# Altium PCB miniBackplane.PcbDoc (part 18 of 24)
Units mil, origin at the board's own origin, x right, y up, seen from the top; angles counter-clockwise.
Board outline 17285.63 x 8582.68 mil, 6 copper layers (Top Layer, Mid-Layer 1, GND, PWR, Mid-Layer 2, Bottom Layer), stack 62.362 mil thick; 519 components, 474 nets, 2434 pads, 1493 vias.
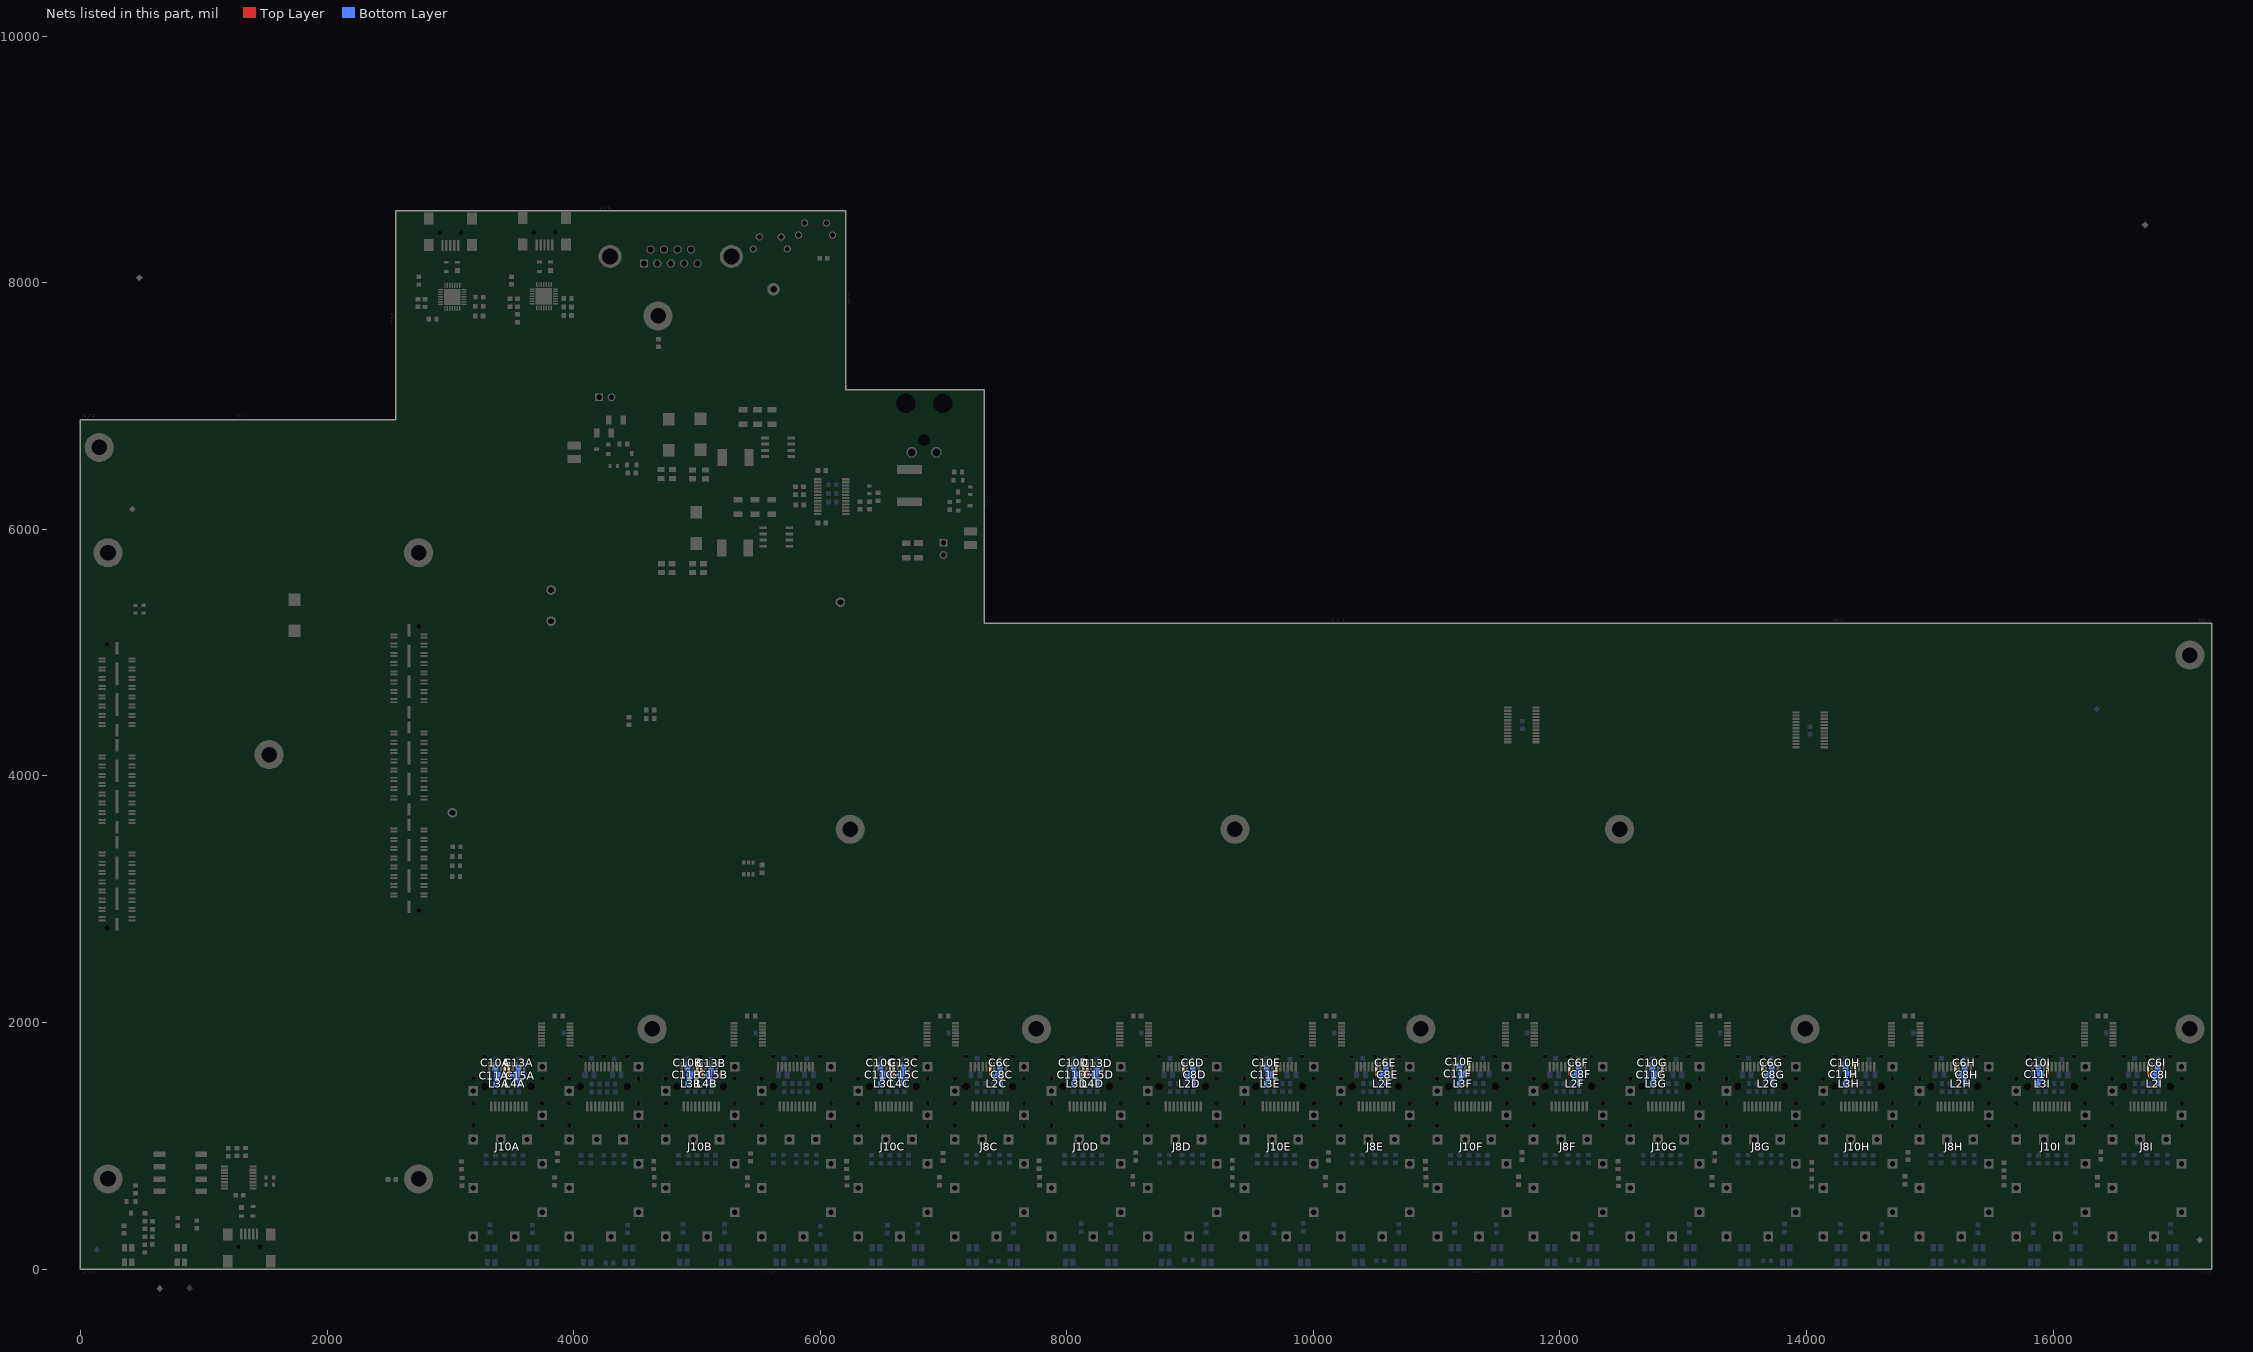
[diagram p22: the nets of this part, all layers, seen from the top]

## Via types
v1: diameter 27.56, hole 11.81, Top Layer to Bottom Layer, tented both sides, 1347 vias
v2: diameter 23.62, hole 11.81, Top Layer to Bottom Layer, tented both sides, 146 vias

## Nets (pads, with @x,y where several pads share a name; then routed paths per layer and width w, separated by ;. In a path a pad name is that pad's centre, name@x,y a point inside that pad or via, vN(x,y) a via of type N, cw(c..) or ccw(c..) an arc to the next point about the centre after c; other vN are vias at no path point) (continued)
NetC6C_1: C6C.1 C8C.2 J8C.15 L2C.1 | length 1204.2
  Top Layer w19.68: J8C.15@7380.39,1642.88 7380.39,1584.35 v1(7388.26,1576.49)
  Bottom Layer w19.68: v1@7389.44,1572.73 cw(c7395.42,1553.6) 7405.44,1570.96 ; v1@7396.13,1568.62 C8C.2@7443.04,1568.62 ; C8C.2@7447.85,1565.02 ccw(c7474.62,1557.56) 7455.94,1536.98 ; C8C.2@7447.88,1584.49 cw(c7470.79,1590.6) 7456.36,1609.41 ; 7460.56,1619.04 cw(c7472.15,1625.74) C6C.1@7463.1,1635.6 ; L2C.1@7464.63,1511.82 C6C.1@7464.63,1638.62 ; L2C.1@7455.8,1509.53 ccw(c7433.62,1522.33) 7458.36,1528.96 ; L2C.1@7455.8,1509.53 ccw(c7433.62,1522.33) 7458.36,1528.96 ; L2C.1@7455.8,1509.53 ccw(c7433.62,1522.33) 7458.36,1528.96 ; C6C.1@7464.63,1638.62 cw(c7413.85,1638.62) 7433.28,1591.7 ccw(c7413.85,1638.62) C6C.1@7464.63,1638.62 ; v1@7391.04,1579.27 ccw(c7416.75,1604.98) 7416.75,1568.62 cw(c7416.75,1604.98) v1@7391.04,1579.27 ; 7409.59,1568.62 cw(c7409.59,1540.09) 7429.76,1560.27 ccw(c7409.59,1540.09) 7409.59,1568.62 ; 7412.97,1568.62 ccw(c7412.97,1592.37) 7429.76,1575.58 cw(c7412.97,1592.37) 7412.97,1568.62 ; C8C.2@7432.46,1558.29 cw(c7405.34,1505.57) 7464.63,1505.57 ccw(c7405.34,1505.57) C8C.2@7432.46,1558.29 ; C8C.2@7440.81,1573.52 ccw(c7426.05,1609.16) 7464.63,1609.16 cw(c7426.05,1609.16) C8C.2@7440.81,1573.52 ; C8C.2@7441.47,1575.8 cw(c7421.94,1537.84) 7464.63,1537.84 ccw(c7421.94,1537.84) C8C.2@7441.47,1575.8 ; C8C.2@7448.34,1555.33 ccw(c7438.24,1579.71) 7464.63,1579.71 cw(c7438.24,1579.71) C8C.2@7448.34,1555.33 ; C8C.2@7450.48,1593.3 cw(c7438.54,1570.1) 7464.63,1570.1 ccw(c7438.54,1570.1) C8C.2@7450.48,1593.3 ; C6C.1@7450.85,1635.86 cw(c7417.57,1602.59) 7464.63,1602.59 ccw(c7417.57,1602.59) C6C.1@7450.85,1635.86 ; L2C.1@7457.05,1511.16 ccw(c7438.77,1529.45) 7464.63,1529.45 cw(c7438.77,1529.45) L2C.1@7457.05,1511.16
NetC6D_1: C6D.1 C8D.2 J8D.15 L2D.1 | length 1267
  Top Layer w19.68: J8D.15@8945.39,1642.88 8945.39,1584.35 v1(8954.94,1574.81) ; J8D.15@8945.39,1607.36 ccw(c8987.48,1607.36) 8957.72,1577.59 cw(c8987.48,1607.36) J8D.15@8945.39,1607.36
  Bottom Layer w19.68: v1@8956.64,1571.26 cw(c8962.62,1558.76) 8969.55,1570.76 ; v1@8961.13,1568.62 9027.62,1568.62 ; C8D.2@9004.58,1559.07 ccw(c9003.92,1583.98) 9027.99,1577.53 ; C8D.2@9014.19,1586.21 cw(c9034.81,1595.68) 9018.48,1611.42 ; C8D.2@9014.56,1564.33 ccw(c9047.94,1552.61) 9020.07,1530.83 ; C6D.1@9015.65,1634.49 cw(c9009.69,1624.35) 9021.05,1621.31 ; 9025.69,1568.62 C6D.1@9025.69,1638.62 ; L2D.1@9027.62,1503.62 9027.62,1568.62 ; 9020.21,1527.2 ccw(c9043.74,1533.5) L2D.1@9031.56,1512.41 ; 9020.21,1527.2 ccw(c9043.74,1533.5) L2D.1@9031.56,1512.41 ; 9020.21,1527.2 ccw(c9043.74,1533.5) L2D.1@9031.56,1512.41 ; C6D.1@9025.69,1638.62 cw(c8970.08,1638.62) 8998.76,1590.98 ccw(c8970.08,1638.62) C6D.1@9025.69,1638.62 ; 9027.62,1524.6 ccw(c9046.63,1524.6) 9033.19,1511.16 cw(c9046.63,1524.6) 9027.62,1524.6 ; 9027.62,1524.6 cw(c9008.61,1524.6) 9022.05,1511.16 ccw(c9008.61,1524.6) 9027.62,1524.6 ; 9027.62,1568.62 ccw(c9027.62,1550.19) 9012.96,1561.36 cw(c9027.62,1550.19) 9027.62,1568.62 ; 9027.62,1568.62 cw(c9027.62,1589.61) 9012.27,1575.3 ccw(c9027.62,1589.61) 9027.62,1568.62 ; v1@8957.72,1577.59 ccw(c8979.38,1599.26) 8979.38,1568.62 cw(c8979.38,1599.26) v1@8957.72,1577.59 ; 8976.52,1568.62 cw(c8976.52,1540.09) 8996.69,1560.27 ccw(c8976.52,1540.09) 8976.52,1568.62 ; 8979.9,1568.62 ccw(c8979.9,1592.37) 8996.69,1575.58 cw(c8979.9,1592.37) 8979.9,1568.62 ; C8D.2@8997.83,1559.27 cw(c8952.84,1499.54) 9027.62,1499.54 ccw(c8952.84,1499.54) C8D.2@8997.83,1559.27 ; C8D.2@9008.91,1574.11 ccw(c8991.05,1603.79) 9025.69,1603.79 cw(c8991.05,1603.79) C8D.2@9008.91,1574.11 ; C8D.2@9009.68,1575 cw(c8982.57,1539.01) 9027.62,1539.01 ccw(c8982.57,1539.01) C8D.2@9009.68,1575 ; C6D.1@9015.85,1635.86 cw(c8992.07,1612.09) 9025.69,1612.09 ccw(c8992.07,1612.09) C6D.1@9015.85,1635.86 ; C8D.2@9019.07,1557.25 ccw(c9012.01,1568.97) 9025.69,1568.97 cw(c9012.01,1568.97) C8D.2@9019.07,1557.25
NetC6E_1: C6E.1 C8E.2 J8E.15 L2E.1 | length 1223.1
  Top Layer w19.68: J8E.15@10510.39,1642.88 10510.39,1584.35 v1(10518.26,1576.49) ; 10512.73,1593.67 cw(c10495.37,1583.65) v1@10514.5,1577.66 ; J8E.15@10510.39,1604.98 ccw(c10546.76,1604.98) 10521.04,1579.27 cw(c10546.76,1604.98) J8E.15@10510.39,1604.98
  Bottom Layer w7.87: L2E.1@10586.13,1510.12 L2E.1@10592.62,1503.62
  Bottom Layer w19.68: v1(10518.26,1576.49) 10526.13,1568.62 C8E.2@10567.34,1568.62 ; v1@10519.44,1572.73 cw(c10525.42,1553.6) 10535.44,1570.96 ; C8E.2@10576.98,1586.63 cw(c10600.79,1598.81) 10579.49,1614.99 ; C8E.2@10576.99,1563.02 ccw(c10601.22,1550.7) 10579.5,1534.36 ; C6E.1@10577.47,1637.7 cw(c10556.14,1625.38) 10579.93,1619 ; C6E.1@10581.12,1623.44 cw(c10598.64,1618.75) C6E.1@10589.57,1634.45 ; 10582.26,1526.71 cw(c10571.04,1515.49) L2E.1@10585.46,1508.87 ; L2E.1@10586.13,1510.12 C6E.1@10586.13,1642.13 ; L2E.1@10587.4,1511.48 ccw(c10579.78,1520.08) 10589.73,1525.82 ; 10578.36,1536.13 ccw(c10616.09,1546.24) L2E.1@10596.56,1512.41 ; 10578.36,1536.13 ccw(c10616.09,1546.24) L2E.1@10596.56,1512.41 ; 10578.36,1536.13 ccw(c10616.09,1546.24) L2E.1@10596.56,1512.41 ; 10586.13,1620.74 ccw(c10564.74,1620.74) 10579.86,1635.86 cw(c10564.74,1620.74) 10586.13,1620.74 ; 10586.13,1620.74 cw(c10607.51,1620.74) 10592.39,1635.86 ccw(c10607.51,1620.74) 10586.13,1620.74 ; v1@10521.04,1579.27 ccw(c10546.76,1604.98) 10546.76,1568.62 cw(c10546.76,1604.98) v1@10521.04,1579.27 ; 10539.51,1568.62 cw(c10539.51,1540.09) 10559.68,1560.27 ccw(c10539.51,1540.09) 10539.51,1568.62 ; 10542.89,1568.62 ccw(c10542.89,1592.37) 10559.68,1575.58 cw(c10542.89,1592.37) 10542.89,1568.62 ; C8E.2@10560.67,1559.39 cw(c10519.78,1507.14) 10586.13,1507.14 ccw(c10519.78,1507.14) C8E.2@10560.67,1559.39 ; C8E.2@10560.71,1590.26 ccw(c10520.51,1642.12) C6E.1@10586.13,1642.13 cw(c10520.51,1642.12) C8E.2@10560.71,1590.26 ; C8E.2@10572.77,1574.7 ccw(c10551.64,1601.96) 10586.13,1601.96 cw(c10551.64,1601.96) C8E.2@10572.77,1574.7 ; C8E.2@10572.8,1574.9 cw(c10551.39,1547.54) 10586.13,1547.54 ccw(c10551.39,1547.54) C8E.2@10572.8,1574.9 ; C8E.2@10584.82,1559.14 ccw(c10582.77,1561.8) 10586.13,1561.8 cw(c10582.77,1561.8) C8E.2@10584.82,1559.14 ; C8E.2@10584.93,1590.4 cw(c10583.01,1587.94) 10586.13,1587.94 ccw(c10583.01,1587.94) C8E.2@10584.93,1590.4 ; 10586.13,1540.28 ccw(c10627.31,1540.28) 10598.19,1511.16 cw(c10627.31,1540.28) 10586.13,1540.28
NetC6F_1: C6F.1 C8F.2 J8F.15 L2F.1 | length 1098.1
  Top Layer w19.68: J8F.15@12074.96,1642.88 12074.96,1584.35 v1(12090.69,1568.62)
  Bottom Layer w19.68: v1(12090.69,1568.62) C8F.2@12133.83,1568.62 ; C8F.2@12143.91,1589.6 cw(c12164.56,1597.73) 12149.63,1614.14 ; C8F.2@12144.12,1568.49 ccw(c12183.17,1555.71) 12149.81,1531.72 ; L2F.1@12157.19,1503.62 C6F.1@12157.19,1641.74 ; v1@12092.66,1572.03 ccw(c12101.47,1587.3) 12106.04,1570.27 ; v1@12092.66,1572.03 ccw(c12101.47,1587.3) 12106.04,1570.27 ; v1@12092.66,1572.03 ccw(c12101.47,1587.3) 12106.04,1570.27 ; 12149.86,1527.09 ccw(c12173.22,1533.35) L2F.1@12161.13,1512.41 ; 12149.86,1527.09 ccw(c12173.22,1533.35) L2F.1@12161.13,1512.41 ; 12149.86,1527.09 ccw(c12173.22,1533.35) L2F.1@12161.13,1512.41 ; 12157.19,1524.6 ccw(c12176.2,1524.6) 12162.76,1511.16 cw(c12176.2,1524.6) 12157.19,1524.6 ; 12157.19,1524.6 cw(c12138.18,1524.6) 12151.62,1511.16 ccw(c12138.18,1524.6) 12157.19,1524.6 ; C6F.1@12157.19,1641.74 cw(c12104.89,1641.74) 12128.87,1595.26 ccw(c12104.89,1641.74) C6F.1@12157.19,1641.74 ; v1@12099.88,1568.62 ccw(c12099.88,1605.81) 12126.18,1579.51 cw(c12099.88,1605.81) v1@12099.88,1568.62 ; C8F.2@12126.98,1563.48 cw(c12074.84,1499.74) 12157.19,1499.74 ccw(c12074.84,1499.74) C8F.2@12126.98,1563.48 ; C8F.2@12137.9,1577.77 ccw(c12121.56,1609.43) 12157.19,1609.43 cw(c12121.56,1609.43) C8F.2@12137.9,1577.77 ; C8F.2@12139.44,1578.71 cw(c12108.82,1541.27) 12157.19,1541.27 ccw(c12108.82,1541.27) C8F.2@12139.44,1578.71 ; C6F.1@12145.41,1635.86 cw(c12116.98,1607.43) 12157.19,1607.43 ccw(c12116.98,1607.43) C6F.1@12145.41,1635.86 ; C8F.2@12146.92,1560.27 ccw(c12138.23,1577.12) 12157.19,1577.12 cw(c12138.23,1577.12) C8F.2@12146.92,1560.27 ; C8F.2@12151.91,1593.95 cw(c12142.79,1582.81) 12157.19,1582.81 ccw(c12142.79,1582.81) C8F.2@12151.91,1593.95
NetC6G_1: C6G.1 C8G.2 J8G.15 L2G.1 | length 1258.9
  Top Layer w19.68: J8G.15@13639.96,1642.88 13639.96,1584.35 v1(13649.58,1574.73) ; J8G.15@13639.96,1607.47 ccw(c13682.32,1607.47) 13652.37,1577.52 cw(c13682.32,1607.47) J8G.15@13639.96,1607.47
  Bottom Layer w7.87: C6G.1@13715.69,1642.13 C6G.1@13722.19,1635.63
  Bottom Layer w19.68: v1(13649.58,1574.73) 13655.69,1568.62 C8G.2@13696.83,1568.62 ; v1@13651.31,1571.2 cw(c13657.28,1558.98) 13664.08,1570.75 ; C8G.2@13702.1,1558.46 cw(c13708.52,1546.94) 13718.59,1555.47 ; C8G.2@13707.18,1564.76 ccw(c13741.15,1554.38) 13714.05,1531.41 ; C8G.2@13707.15,1584.96 cw(c13727.48,1591.38) 13714.57,1608.34 ; L2G.1@13722.19,1503.62 C6G.1@13722.19,1635.63 ; 13714.47,1527.59 ccw(c13738.63,1534.07) L2G.1@13726.13,1512.41 ; 13714.47,1527.59 ccw(c13738.63,1534.07) L2G.1@13726.13,1512.41 ; 13714.47,1527.59 ccw(c13738.63,1534.07) L2G.1@13726.13,1512.41 ; 13722.19,1524.6 ccw(c13741.2,1524.6) 13727.76,1511.16 cw(c13741.2,1524.6) 13722.19,1524.6 ; 13722.19,1524.6 cw(c13703.18,1524.6) 13716.62,1511.16 ccw(c13703.18,1524.6) 13722.19,1524.6 ; C6G.1@13722.19,1635.63 cw(c13674.74,1635.63) 13692.72,1591.72 ccw(c13674.74,1635.63) C6G.1@13722.19,1635.63 ; v1@13652.37,1577.52 ccw(c13673.84,1598.99) 13673.84,1568.62 cw(c13673.84,1598.99) v1@13652.37,1577.52 ; 13669,1568.62 cw(c13669,1540.09) 13689.17,1560.27 ccw(c13669,1540.09) 13669,1568.62 ; 13672.38,1568.62 ccw(c13672.38,1592.37) 13689.17,1575.58 cw(c13672.38,1592.37) 13672.38,1568.62 ; C8G.2@13690.66,1559.02 cw(c13648.92,1498.8) 13722.19,1498.8 ccw(c13648.92,1498.8) C8G.2@13690.66,1559.02 ; C8G.2@13700.18,1573.5 ccw(c13686.75,1606.29) 13722.19,1606.29 cw(c13686.75,1606.29) C8G.2@13700.18,1573.5 ; C8G.2@13701.87,1575.2 cw(c13674.98,1536.4) 13722.19,1536.4 ccw(c13674.98,1536.4) C8G.2@13701.87,1575.2 ; C8G.2@13707.64,1555.29 ccw(c13698.77,1576.96) 13722.19,1576.96 cw(c13698.77,1576.96) C8G.2@13707.64,1555.29 ; C6G.1@13710.41,1635.86 cw(c13681.98,1607.43) 13722.19,1607.43 ccw(c13681.98,1607.43) C6G.1@13710.41,1635.86 ; C8G.2@13713.09,1591.38 cw(c13701.04,1574) 13722.19,1574 ccw(c13701.04,1574) C8G.2@13713.09,1591.38
NetC6H_1: C6H.1 C8H.2 J8H.15 L2H.1 | length 1172.1
  Top Layer w19.68: J8H.15@15204.96,1642.88 15204.96,1584.35 v1(15220.69,1568.62) ; J8H.15@15204.96,1616.11 ccw(c15268.18,1616.11) 15223.48,1571.41 cw(c15268.18,1616.11) J8H.15@15204.96,1616.11
  Bottom Layer w7.87: C6H.1@15280.69,1642.13 C6H.1@15287.19,1635.63
  Bottom Layer w19.68: v1(15220.69,1568.62) C8H.2@15263.76,1568.62 ; C8H.2@15273.85,1585.61 cw(c15293.16,1593.09) 15279.81,1608.92 ; C8H.2@15273.98,1564.37 ccw(c15307.4,1552.75) 15279.59,1530.87 ; L2H.1@15287.19,1503.62 C6H.1@15287.19,1635.63 ; 15279.76,1527.23 ccw(c15303.33,1533.54) L2H.1@15291.13,1512.41 ; 15279.76,1527.23 ccw(c15303.33,1533.54) L2H.1@15291.13,1512.41 ; 15279.76,1527.23 ccw(c15303.33,1533.54) L2H.1@15291.13,1512.41 ; 15287.19,1524.6 ccw(c15306.2,1524.6) 15292.76,1511.16 cw(c15306.2,1524.6) 15287.19,1524.6 ; 15287.19,1524.6 cw(c15268.18,1524.6) 15281.62,1511.16 ccw(c15268.18,1524.6) 15287.19,1524.6 ; C6H.1@15287.19,1635.63 cw(c15238.44,1635.63) 15259.16,1591.5 ccw(c15238.44,1635.63) C6H.1@15287.19,1635.63 ; 15235.93,1568.62 cw(c15235.93,1540.09) 15256.1,1560.27 ccw(c15235.93,1540.09) 15235.93,1568.62 ; 15239.31,1568.62 ccw(c15239.31,1592.37) 15256.1,1575.58 cw(c15239.31,1592.37) 15239.31,1568.62 ; C8H.2@15257.27,1559.25 cw(c15212.54,1499.49) 15287.19,1499.49 ccw(c15212.54,1499.49) C8H.2@15257.27,1559.25 ; C8H.2@15267.52,1573.68 ccw(c15252.99,1604.64) 15287.19,1604.64 cw(c15252.99,1604.64) C8H.2@15267.52,1573.68 ; C8H.2@15269.06,1575.01 cw(c15241.97,1538.81) 15287.19,1538.81 ccw(c15241.97,1538.81) C8H.2@15269.06,1575.01 ; C6H.1@15275.41,1635.86 cw(c15246.98,1607.43) 15287.19,1607.43 ccw(c15246.98,1607.43) C6H.1@15275.41,1635.86 ; C8H.2@15275.88,1555.86 ccw(c15267.53,1573.66) 15287.19,1573.66 cw(c15267.53,1573.66) C8H.2@15275.88,1555.86 ; C8H.2@15280.86,1590.77 cw(c15271.4,1578.13) 15287.19,1578.13 ccw(c15271.4,1578.13) C8H.2@15280.86,1590.77
NetC6I_1: C6I.1 C8I.2 J8I.15 L2I.1 | length 1197
  Top Layer w19.68: J8I.15@16769.96,1642.88 16769.96,1584.35 v1(16785.69,1568.62) v1@16790.69,1568.62 ; J8I.15@16769.96,1616.11 ccw(c16833.18,1616.11) 16788.48,1571.41 cw(c16833.18,1616.11) J8I.15@16769.96,1616.11
  Bottom Layer w7.87: C6I.1@16845.69,1642.13 C6I.1@16852.19,1635.63
  Bottom Layer w19.68: v1(16785.69,1568.62) C8I.2@16827.81,1568.62 ; C8I.2@16838.02,1585.3 cw(c16857.81,1592.27) 16844.69,1608.64 ; C8I.2@16838.1,1564.56 ccw(c16871.76,1553.55) 16844.33,1531.15 ; L2I.1@16852.19,1503.62 C6I.1@16852.19,1635.63 ; 16844.62,1527.4 ccw(c16868.47,1533.79) L2I.1@16856.13,1512.41 ; 16844.62,1527.4 ccw(c16868.47,1533.79) L2I.1@16856.13,1512.41 ; 16844.62,1527.4 ccw(c16868.47,1533.79) L2I.1@16856.13,1512.41 ; 16852.19,1524.6 ccw(c16871.2,1524.6) 16857.76,1511.16 cw(c16871.2,1524.6) 16852.19,1524.6 ; 16852.19,1524.6 cw(c16833.18,1524.6) 16846.62,1511.16 ccw(c16833.18,1524.6) 16852.19,1524.6 ; C6I.1@16852.19,1635.63 cw(c16804.11,1635.63) 16823.45,1591.61 ccw(c16804.11,1635.63) C6I.1@16852.19,1635.63 ; 16799.98,1568.62 cw(c16799.98,1540.09) 16820.16,1560.27 ccw(c16799.98,1540.09) 16799.98,1568.62 ; 16803.36,1568.62 ccw(c16803.36,1592.37) 16820.16,1575.58 cw(c16803.36,1592.37) 16803.36,1568.62 ; C8I.2@16821.48,1559.14 cw(c16778.26,1499.16) 16852.19,1499.16 ccw(c16778.26,1499.16) C8I.2@16821.48,1559.14 ; C8I.2@16831.38,1573.59 ccw(c16817.36,1605.47) 16852.19,1605.47 cw(c16817.36,1605.47) C8I.2@16831.38,1573.59 ; C8I.2@16832.99,1575.11 cw(c16805.97,1537.61) 16852.19,1537.61 ccw(c16805.97,1537.61) C8I.2@16832.99,1575.11 ; C8I.2@16839.3,1555.57 ccw(c16830.62,1575.32) 16852.19,1575.32 cw(c16830.62,1575.32) C8I.2@16839.3,1555.57 ; C6I.1@16840.41,1635.86 cw(c16811.98,1607.43) 16852.19,1607.43 ccw(c16811.98,1607.43) C6I.1@16840.41,1635.86 ; C8I.2@16844.5,1591.08 cw(c16833.67,1576.06) 16852.19,1576.06 ccw(c16833.67,1576.06) C8I.2@16844.5,1591.08
NetC10A_2: C10A.2 C11A.1 J10A.16 L3A.1 | length 1467.7
  Top Layer w19.68: v1(3435.83,1571.96) 3442.44,1578.57 J10A.16@3442.44,1641.22 ; v1@3439.45,1573.52 cw(c3453.49,1579.57) 3440.25,1587.21 ; v1@3433.05,1574.74 ccw(c3410.38,1597.41) 3442.44,1597.41 cw(c3410.38,1597.41) v1@3433.05,1574.74
  Bottom Layer w19.68: C10A.2@3361.22,1632.79 cw(c3352.16,1617.09) C10A.2@3369.67,1621.78 ; L3A.1@3364.67,1503.46 C10A.2@3364.67,1640.46 ; 3370.86,1617.34 cw(c3394.66,1623.72) C10A.2@3373.32,1636.04 ; L3A.1@3371.17,1504.95 C11A.1@3371.17,1566.96 ; 3371.8,1611.2 cw(c3347.48,1592.28) C11A.1@3375.87,1580.31 ; 3371.85,1528.61 ccw(c3349.72,1546.64) C11A.1@3375.91,1558.01 ; L3A.1@3373.11,1507.94 cw(c3385.52,1514.51) 3375.59,1524.44 ; C11A.1@3376.69,1556.53 cw(c3353.77,1542.02) 3376.88,1527.8 ; C11A.1@3386.17,1571.96 v1@3424.67,1571.96 ; L3A.1@3362.22,1511.07 ccw(c3343.95,1542.71) 3379.24,1533.26 ; L3A.1@3362.22,1511.07 ccw(c3353.19,1526.72) 3370.64,1522.04 ; L3A.1@3362.22,1511.07 ccw(c3343.95,1542.71) 3379.24,1533.26 ; L3A.1@3362.22,1511.07 ccw(c3343.95,1542.71) 3379.24,1533.26 ; L3A.1@3362.22,1511.07 ccw(c3353.19,1526.72) 3370.64,1522.04 ; L3A.1@3362.22,1511.07 ccw(c3353.19,1526.72) 3370.64,1522.04 ; 3364.67,1619.08 ccw(c3343.28,1619.08) 3358.41,1634.2 cw(c3343.28,1619.08) 3364.67,1619.08 ; 3364.67,1619.08 cw(c3386.05,1619.08) 3370.93,1634.2 ccw(c3386.05,1619.08) 3364.67,1619.08 ; C10A.2@3364.67,1640.46 ccw(c3434.56,1640.46) 3392.38,1584.73 cw(c3434.56,1640.46) C10A.2@3364.67,1640.46 ; 3370.98,1523.33 ccw(c3390.26,1518.17) L3A.1@3372.98,1508.19 ; 3370.98,1523.33 ccw(c3390.26,1518.17) L3A.1@3372.98,1508.19 ; 3370.98,1523.33 ccw(c3390.26,1518.17) L3A.1@3372.98,1508.19 ; L3A.1@3360.59,1509.82 ccw(c3335.06,1535.35) 3371.17,1535.35 cw(c3335.06,1535.35) L3A.1@3360.59,1509.82 ; L3A.1@3364.67,1499.77 cw(c3430.99,1499.77) 3392.18,1553.54 ccw(c3430.99,1499.77) L3A.1@3364.67,1499.77 ; 3364.67,1526.85 ccw(c3388.76,1526.85) 3371.73,1509.82 cw(c3388.76,1526.85) 3364.67,1526.85 ; 3364.67,1538.25 cw(c3403.22,1538.25) 3380.66,1569.51 ccw(c3403.22,1538.25) 3364.67,1538.25 ; 3364.67,1561.28 ccw(c3374.62,1561.28) 3368.61,1553.34 cw(c3374.62,1561.28) 3364.67,1561.28 ; 3364.67,1576.73 cw(c3375.45,1576.73) 3369.14,1585.47 ccw(c3375.45,1576.73) 3364.67,1576.73 ; 3364.67,1600.87 ccw(c3404.59,1600.87) 3380.5,1569.04 cw(c3404.59,1600.87) 3364.67,1600.87 ; L3A.1@3371.17,1503.11 cw(c3441.83,1503.11) 3393.28,1554.46 ccw(c3441.83,1503.11) L3A.1@3371.17,1503.11 ; C11A.1@3393.5,1561.56 cw(c3418.61,1536.44) 3418.61,1571.96 ccw(c3418.61,1536.44) C11A.1@3393.5,1561.56
NetC10B_2: C10B.2 C11B.1 J10B.16 L3B.1 | length 1849.2
  Top Layer w19.68: v1@4995.83,1583.32 5003.9,1591.39 J10B.16@5003.9,1642.87 ; v1@5000.19,1583.98 cw(c5017.47,1590.03) 5001.61,1599.18 ; v1@4993.69,1585.46 ccw(c4969.04,1610.11) 5003.9,1610.11 cw(c4969.04,1610.11) v1@4993.69,1585.46
  Bottom Layer w19.68: C10B.2@4922.68,1634.45 cw(c4913.61,1618.74) C10B.2@4931.13,1623.43 ; L3B.1@4926.13,1505.11 C10B.2@4926.13,1642.12 ; 4928.85,1528.1 ccw(c4941.8,1520.63) L3B.1@4930.55,1510.77 ; 4931.26,1556.95 cw(c4940.38,1548.46) C11B.1@4947.22,1558.87 ; L3B.1@4932.22,1507.68 cw(c4954.09,1513.71) 4938.05,1529.76 ; 4932.32,1619 cw(c4956.12,1625.37) C10B.2@4934.78,1637.69 ; L3B.1@4932.62,1506.61 C11B.1@4932.62,1568.61 ; 4934.68,1611.5 cw(c4917.58,1591.73) C11B.1@4942.74,1584.63 ; 4934.79,1532.83 ccw(c4909.83,1556.06) C11B.1@4942.72,1565.06 ; 4939.57,1532.24 ccw(c4914.35,1551.08) C11B.1@4943.23,1563.61 ; C11B.1@4947.62,1573.61 4986.13,1573.61 ; 4978.39,1576.63 cw(c4989.63,1557.15) v1@4995.45,1578.87 ; L3B.1@4919.06,1511.15 ccw(c4902.01,1528.2) 4926.13,1528.2 cw(c4902.01,1528.2) L3B.1@4919.06,1511.15 ; L3B.1@4919.06,1511.15 ccw(c4886.33,1543.89) 4932.62,1543.89 cw(c4886.33,1543.89) L3B.1@4919.06,1511.15 ; L3B.1@4920.69,1512.4 ccw(c4896.98,1553.47) 4942.79,1541.2 ; L3B.1@4920.69,1512.4 ccw(c4906.05,1537.76) 4934.34,1530.18 ; L3B.1@4920.69,1512.4 ccw(c4896.98,1553.47) 4942.79,1541.2 ; L3B.1@4920.69,1512.4 ccw(c4896.98,1553.47) 4942.79,1541.2 ; L3B.1@4920.69,1512.4 ccw(c4906.05,1537.76) 4934.34,1530.18 ; L3B.1@4920.69,1512.4 ccw(c4906.05,1537.76) 4934.34,1530.18 ; 4926.13,1620.73 ccw(c4904.74,1620.73) 4919.86,1635.85 cw(c4904.74,1620.73) 4926.13,1620.73 ; 4926.13,1620.73 cw(c4947.51,1620.73) 4932.39,1635.85 ccw(c4947.51,1620.73) 4926.13,1620.73 ; C10B.2@4926.13,1642.12 ccw(c4982.44,1642.12) 4957.89,1591.44 cw(c4982.44,1642.12) C10B.2@4926.13,1642.12 ; L3B.1@4926.13,1499.54 cw(c4995.96,1499.54) 4958.91,1558.74 ccw(c4995.96,1499.54) L3B.1@4926.13,1499.54 ; 4926.13,1535.08 cw(c4973.71,1535.08) 4948.47,1575.42 ccw(c4973.71,1535.08) 4926.13,1535.08 ; 4926.13,1570.63 cw(c4951.47,1570.63) 4938.02,1592.11 ccw(c4951.47,1570.63) 4926.13,1570.63 ; 4926.13,1579.29 ccw(c4952,1579.29) 4940.72,1556.01 cw(c4952,1579.29) 4926.13,1579.29 ; 4926.13,1610.7 ccw(c4967.22,1610.7) 4949.3,1573.72 cw(c4967.22,1610.7) 4926.13,1610.7 ; L3B.1@4932.62,1503.26 cw(c5004.11,1503.26) 4959.87,1559.41 ccw(c5004.11,1503.26) L3B.1@4932.62,1503.26 ; 4932.62,1543.83 cw(c4972.14,1543.83) 4947.68,1574.87 ccw(c4972.14,1543.83) 4932.62,1543.83 ; C11B.1@4960.82,1567.15 cw(c4976.43,1551.54) 4976.43,1573.61 ccw(c4976.43,1551.54) C11B.1@4960.82,1567.15 ; C11B.1@4960.82,1582.46 ccw(c4982.17,1603.81) 4982.17,1573.61 cw(c4982.17,1603.81) C11B.1@4960.82,1582.46 ; C11B.1@4965.09,1573.61 ccw(c4965.09,1614.06) 4993.69,1585.46 cw(c4965.09,1614.06) C11B.1@4965.09,1573.61
  other v1: 4996.47,1582.68
NetC10C_2: C10C.2 C11C.1 J10C.16 L3C.1 | length 1668.7
  Top Layer w7.87: v1(6564.59,1573.62) 6564.17,1574.04 v1@6566.4,1576.26
  Top Layer w19.68: v1@6566.4,1576.26 J10C.16@6566.4,1641.22 ; v1@6561.81,1576.41 ccw(c6550.72,1587.49) 6566.4,1587.49 cw(c6550.72,1587.49) v1@6561.81,1576.41
  Bottom Layer w19.68: C10C.2@6487.68,1634.45 cw(c6478.61,1618.75) C10C.2@6496.13,1623.44 ; L3C.1@6491.13,1505.12 C10C.2@6491.13,1642.13 ; 6493.85,1528.11 ccw(c6506.8,1520.63) L3C.1@6495.55,1510.78 ; L3C.1@6497.2,1507.75 cw(c6518.56,1513.86) 6502.85,1529.57 ; 6497.32,1619 cw(c6521.12,1625.38) C10C.2@6499.78,1637.7 ; L3C.1@6497.62,1506.61 C11C.1@6497.62,1568.62 ; 6499.22,1532.38 ccw(c6473.78,1554.41) C11C.1@6505.84,1564.63 ; 6499.25,1612.27 cw(c6481.37,1593.51) C11C.1@6505.91,1585.18 ; 6504.06,1531.59 ccw(c6477.87,1549.43) C11C.1@6506.41,1563.21 ; C11C.1@6512.62,1573.62 v1(6564.59,1573.62) ; L3C.1@6484.06,1511.16 ccw(c6451.33,1543.89) 6497.62,1543.89 cw(c6451.33,1543.89) L3C.1@6484.06,1511.16 ; L3C.1@6484.06,1511.16 ccw(c6467.01,1528.21) 6491.13,1528.21 cw(c6467.01,1528.21) L3C.1@6484.06,1511.16 ; L3C.1@6485.69,1512.41 ccw(c6462.25,1553.01) 6507.54,1540.88 ; L3C.1@6485.69,1512.41 ccw(c6471.39,1537.18) 6499.02,1529.78 ; L3C.1@6485.69,1512.41 ccw(c6462.25,1553.01) 6507.54,1540.88 ; L3C.1@6485.69,1512.41 ccw(c6471.39,1537.18) 6499.02,1529.78 ; L3C.1@6485.69,1512.41 ccw(c6462.25,1553.01) 6507.54,1540.88 ; L3C.1@6485.69,1512.41 ccw(c6471.39,1537.18) 6499.02,1529.78 ; 6491.13,1620.74 ccw(c6469.74,1620.74) 6484.86,1635.86 cw(c6469.74,1620.74) 6491.13,1620.74 ; 6491.13,1620.74 cw(c6512.51,1620.74) 6497.39,1635.86 ccw(c6512.51,1620.74) 6491.13,1620.74 ; L3C.1@6491.13,1500.32 cw(c6561.96,1500.32) 6522.23,1558.96 ccw(c6561.96,1500.32) L3C.1@6491.13,1500.32 ; 6491.13,1537.43 cw(c6536.81,1537.43) 6511.19,1575.26 ccw(c6536.81,1537.43) 6491.13,1537.43 ; 6491.13,1574.54 cw(c6511.67,1574.54) 6500.15,1591.55 ccw(c6511.67,1574.54) 6491.13,1574.54 ; 6491.13,1575.78 ccw(c6512.93,1575.78) 6502.48,1556.65 cw(c6512.93,1575.78) 6491.13,1575.78 ; 6491.13,1608.95 ccw(c6531.03,1608.95) 6511.91,1573.93 cw(c6531.03,1608.95) 6491.13,1608.95 ; C10C.2@6491.13,1642.13 ccw(c6549.14,1642.12) 6521.34,1591.2 cw(c6549.14,1642.12) C10C.2@6491.13,1642.13 ; L3C.1@6497.62,1503.88 cw(c6571.32,1503.88) 6523.22,1559.72 ccw(c6571.32,1503.88) L3C.1@6497.62,1503.88 ; 6497.62,1546.81 cw(c6534.34,1546.81) 6510.38,1574.63 ccw(c6534.34,1546.81) 6497.62,1546.81 ; C11C.1@6523.81,1567.16 cw(c6539.43,1551.54) 6539.43,1573.62 ccw(c6539.43,1551.54) C11C.1@6523.81,1567.16 ; C11C.1@6523.81,1582.47 ccw(c6545.17,1603.82) 6545.17,1573.62 cw(c6545.17,1603.82) C11C.1@6523.81,1582.47